# Altium PCB batt_ctrl_pcb_v3.1.PcbDoc (continued)
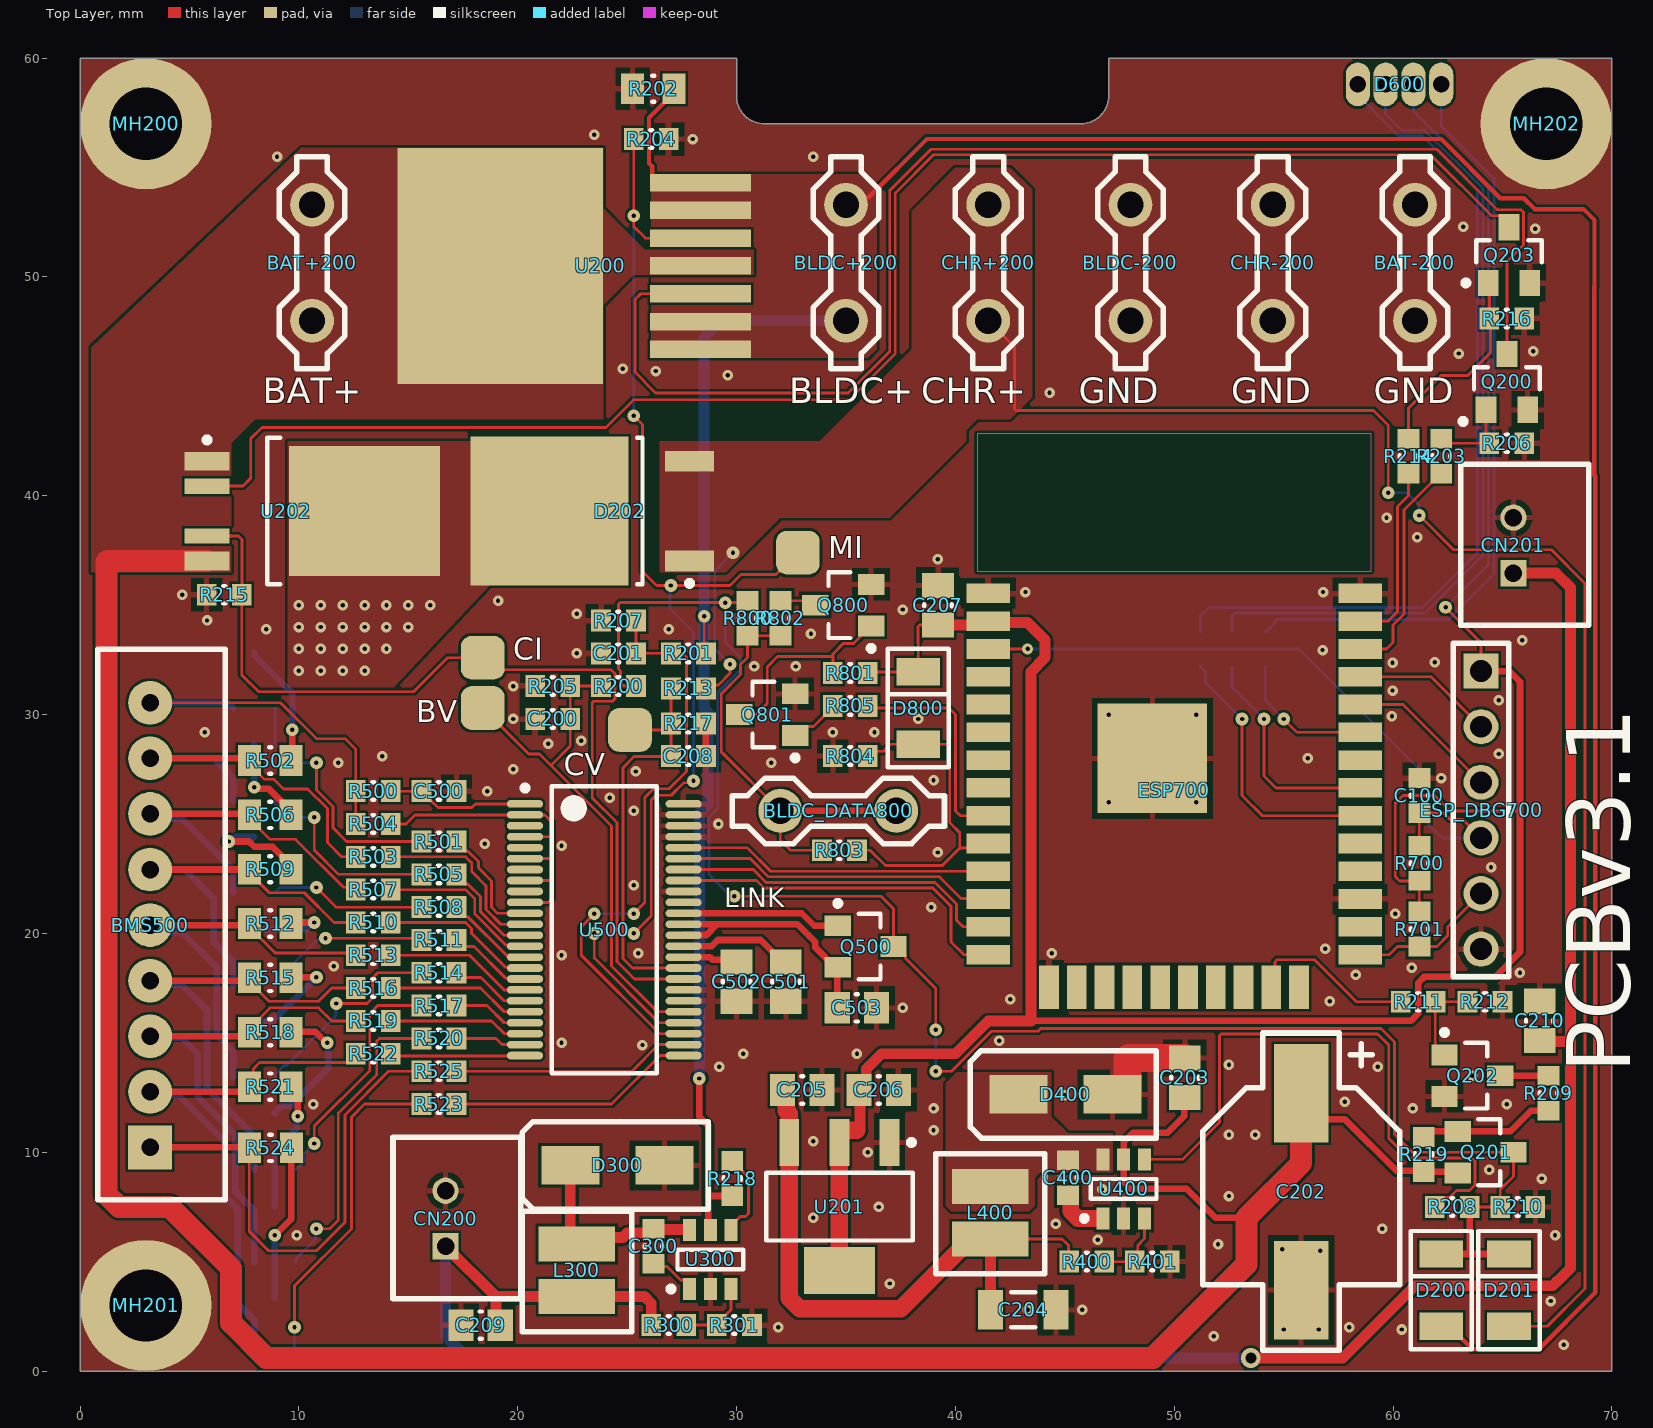
[diagram p0: Top Layer view]
## Part data
BAT+200 BAT-200 BLDC+200 BLDC-200 BLDC_DATA800 CHR+200 CHR-200: "Straight Mount Angle PCB Tab Terminal"
  BAT-200 BLDC-200 CHR-200: ClassName=DirectGND
BMS500: library part "PIN HEADER 2.54 1x9"
C100 C200 C201 C203 C204 C205 C206 C207 C208 C209 C210 C300 C400 C500 C501 C502 C503: library part "Capacitor M", "Ceramic capacitor Medium density"
C202: library part "Capacitor Electrolitic", "Capacitor Electrolitic"
CN200 CN201: library part "PIN HEADER 2.54 1x2", "LIGHT_5V", Parameter 1=LIGHT_5V
D200 D201 D800: "Small Signal Fast Switching Diodes", Average forward current="150 mA", Diode capacitance="4 pF", Forward continuous current="300 mA", Peak forward surge current="2 A", Repetitive peak forward current="500 mA", Repetitive peak reverse voltage="100 V", Reverse voltage="75 V", Supplier Part Number 1=78-MCL4148, Reverse recovery time="4 ~ 8 ns", Supplier 1=Mouser
D202: library part STPS1045B, "Power schottky rectifier", I=10A, V=45V
D300 D400: "Surface Mount Schottky Barrier Rectifier", Supplier Part Number 1=05R5585, If (av)=1.0A, Ifsm=40A, Supplier 1=Newark, Vf="0.5 ~ 0.75V", Vrrm=40V
D600: library part "RGB led"
ESP700: library part ESP32S, "ESP32-WROOM-32 is a powerful, generic Wi-Fi+BT+BLE MCU module"
ESP_DBG700: library part "PIN HEADER 2.54 1x6"
L300 L400: library part Inductor
Q200 Q202 Q203 Q500 Q800 Q801: library part 2N3904, "NPN General Purpose Transistor", Collector Current - Continuous=200mA, Collector-Base Voltage=60V, Collector-Emitter Voltage=40V, DC Current Gain=300
Q201: library part 2N3906, "PNP General Purpose Transistor", Collector Current - Continuous=200mA, Collector-Base Voltage=-60V, Collector-Emitter Voltage=-40V, DC Current Gain=300
Q501 Q502 Q503 Q504 Q505 Q506 Q507 Q508: "OptiMOS™ P3 Small-Signal-Transistor", Id=-2A, Rds=80mOhm, Vds=-30V
R200 R201 R202 R203 R204 R205 R206 R207 R208 R209 R210 R211 R212 R213 R214 R215 R216 R217 R218 R219 R300 R301 R400 R401 R500 R501 R502 R503 R504 R505 R506 R507 R508 R509 R510 R511 R512 R513 R514 R515 R516 R517 R518 R519 R520 R521 R522 R523 R524 R525 R600 R601 R602 R700 R701 R800 R801 R802 R803 R804 R805: library part "Resistor M", "Resistor Medium Density"
  R502 R506 R509 R512 R515 R518 R521 R524: pack=0805
U200: library part BTS50085-1TMA, "Smart Highside High Current Power Switch", Current sense ratio=13000, Load current (ISO)=44A, On-state resistance="9 mOhm", Operating voltage="5.0 .. 58V", Overvoltage protection=70V, Short circuit current limitation=90A, Output clamp=62V
U201: library part AMS1117, "800mA LDO  15V max"
U202: "PROFET Smart Highside Power Switch, 1 Channel, 10 A Load Current, -40 to 150 degC, PG-TO252-5-11, Reel, Green", Load Current (typ)="10 A", Manufacturer=Infineon, Recommended Operating Voltage Max.="38 V", Recommended Operating Voltage Min.="5.5 V", Channels=1, ComponentLink1Description="Manufacturer URL", ComponentLink1URL=http://www.infineon.com/, ComponentLink2Description=Datasheet, ComponentLink2URL=http://www.infineon.com/dgdl/BTS6143D_DS_v10.pdf?folderId=db3a304314dca389011537739e37155f&fileId=db3a3043183a95550118606a2705368e&location=en.Products.Automotive_ICs.Smart_High-_and_Low-Side_Switches.PROFET__-_Smart_High_Side_Switches.DATASHEET.BTS6143D_D, ComponentLink3Description="Package Specification", ComponentLink3URL=http://www.infineon.com/dgdl/TLE7276-Data+Sheet-+v1_11.pdf?folderId=db3a304412b407950112b408e8c90004&fileId=db3a304412b407950112b436c53f66c8&sId=db3a30433db6f09f013dc0e43c0428c1, DatasheetVersion="Rev. 1.0", Green=TRUE, Group="Automotive Qualified", Halogen-free=TRUE, Mounting Technology="Surface Mount", PackageDescription="5-Pin Plastic (Green) Transistor Single Outline Package, 6.5 x 6.12 mm Body, 1.14 mm Pitch", PackageReference=PG-TO252-5-11, PackageVersion=Nov-10, Packing=Reel, PartNumber=BTS6143D, Ptot (max)="59 W", RON @ 25degreesC="10 mOhm", RON(max) @ 150degreesC="18 mOhm", toff (max)="500 us", ton (max)="500 us"
U300 U400: "The ME3116 is PWM DC/DC buck (step-down) regulators.", Frequency=550kHz, FB=0.8V, V in max=45V
U500: "The LTC®6804 is a 3rd generation multicell battery stack / monitor that measures up to 12 series connected battery / cells with a total measurement error of less than 1.2mV. The / cell measurement range of 0V to 5V makes the LTC6804 / suitable for most battery chemistries. All 12 cell voltages / can be captured in 290µs, and lower data acquisition rates / can be selected for high noise reduction."
MH200 MH201 MH202: ClassName=DirectGND

## Free pads (board coordinates)
  rrect50% 2x2 smd: ""(18.4,30.3) ""(18.4,32.6) ""(25.127,29.3) ""(32.8,37.4)

## Via types
v1: diameter 0.48, hole 0.2, Top Layer to Bottom Layer, 145 vias
v2: diameter 0.58, hole 0.2, Top Layer to Bottom Layer, 38 vias
v3: diameter 0.9, hole 0.5, Top Layer to Bottom Layer, 1 vias
v4: diameter 0.5, hole 0.2, Top Layer to Bottom Layer, 1 vias

## Nets (pads, with @x,y where several pads share a name; then routed paths per layer and width w, separated by ;. In a path a pad name is that pad's centre, name@x,y a point inside that pad or via, vN(x,y) a via of type N, cw(c..) or ccw(c..) an arc to the next point about the centre after c; other vN are vias at no path point)
5VREG: C503.1 Q500.2 U500.36 U500.37 | length 11.6
  Top Layer w0.3: U500.36 27.591,19.928 28.623,19.928 29.114,20.418 ; U500.37 29.114,20.418 ; C503.1 34.6,18.425 Q500.2 34.5,18.45 33.6,19.35 33.6,19.6 32.782,20.418 29.114,20.418
+5V: C204.1 C205.1 L400.2 R400.2 U201.3 | length 28.6
  Top Layer w0.127: L400.2 44.872,6.04 45.162,5.75 45.162,5.038 R400.2
  Top Layer w0.305: C205.1 C205.1@32.353,13.103
  Top Layer w0.5: 37.5,2.85 37.5,3 ; L400.2 41.6,6.032 C204.1
  Top Layer w0.8: C205.1 32.275,12.675 32.275,11.902 32.408,11.77 32.408,10.402 32.41,10.4 32.41,3.319 32.879,2.85 37.5,2.85 40.242,5.592 40.242,5.64 40.642,6.04 L400.2
ADC_EN: D200.2 D201.2 Q201.3 Q500.3 R200.2 R208.2 R210.1 R800.2 | length 82.7
  Top Layer w0.127: R200.2 24.841,31.3 24.695,31.446 24.695,31.984 24.6,32.079 24.6,35.043 24.674,35.117 v2(29.48,35.117) 30.417,35.117 R800.2 ; v2(29.9,21.7) 36.6,21.7 37.175,21.125 Q500.3 37.3,19.4 37.711,18.988 37.711,18.863 39.1,17.475 v2(39.1,15.6) ; v2(39.1,13.7) 39.823,13.7 41.653,15.53 43.771,15.53 43.9,15.659 59.441,15.659 60.07,15.03 60.07,10.811 60.881,10 Q201.3 65.5,8.9 64.9,8.3 R210.1 R208.2
  Top Layer w0.3: D200.2@62.063,5.214 D200.2 63.6,5.351 ; R208.2 63.5,5.451 63.6,5.351 ; D201.2 63.6,5.351
  Bottom Layer w0.127: v2(29.48,35.117) 29.48,33.32 30.18,32.62 30.18,32.059 29.141,31.019 29.141,25.718 28.74,25.318 28.74,22.689 29.729,21.7 v2(29.9,21.7) ; v2(39.1,13.7) v2(39.1,15.6)
AN0: ESP700.4
AN1: ESP700.5
B\L\D\C\_\E\N\: Q200.3 U200.3 | length 64.3
  Top Layer w0.127: U200.3 25.62,49.23 25.353,48.962 25.353,45.647 26.3,44.7 35.1,44.7 37,46.6 37,53.945 38.892,55.836 62.008,55.836 64.779,53.065 65.854,53.065 65.966,52.954 65.966,51.596 65.965,51.466 65.2,50.7 Q200.3
BATT_MEAS: C200.1 pad.@18.4,30.3 R200.1 R205.2 U500.29 | length 24.1
  Top Layer w0.127: pad.@18.4,30.3 20.5,28.2 21,28.2 21.518,27.682 ; R200.1 R205.2 C200.1 22.4,28.564 21.518,27.682 ; U500.29 26.382,16.418 24.286,18.514 24.286,24.914 21.518,27.682
BATT_POS: BAT+200.1 C202.+ C203.2 Q201.2 R219.2 U200.4 U200.8 U202.1 U202.5 U400.5 | length 127.7
  Top Layer w0.3: 1.2,30.2 1.5,30.5 ; 27.2,0.634 27.234,0.6 ; 30.133,0.6 30.15,0.617 ; C203.2 50.456,12.48 50.456,11.656 49.7,10.9 48.128,10.9 47.688,10.46 U400.5 47.688,8.625 47.987,8.326 50.574,8.326 51.9,7 53.3,7 ; C202.+@55.8,12.3 56.6,11.5 57.8,11.5 60.15,9.15 61.35,9.15 R219.2 62.9,9.1 Q201.2
  Top Layer w1: U202.5 1.244,37.02 1.2,36.976 1.2,30.2 1.2,8.086 1.786,7.5 4.1,7.5 6.9,4.7 6.9,2.2 8.5,0.6 27.234,0.6 30.133,0.6 49.025,0.6 53.3,4.875 53.3,7 55.8,9.5 C202.+ ; U200.8@15.2,46.5 U200.8
BLDC_EN: ESP700.36 R203.1 | length 10.3
  Top Layer w0.127: ESP700.36 59.7,33 60,33.3 60,34.1 60.5,34.6 60.5,39.35 62.15,41 R203.1
BLDC_I_MEAS: pad.@32.8,37.4 R204.2 U200.5 U500.28 | length 57.9
  Top Layer w0.127: v2@23.5,19.9 23.5,18.875 26.457,15.918 U500.28 ; v2(25.3,20) 26.1,20.8 26.1,26.1 26.316,26.316 27.016,26.316 27.581,26.881 27.946,26.881 v2(28.033,26.968) ; v2(25.3,43.651) 25.7,43.251 25.7,36.536 26.336,35.9 v2(27,35.9) 29.7,35.9 30.2,36.4 31.8,36.4 pad.@32.8,37.4 ; R204.2 v2(25.3,52.796) 25.3,52.3 25.83,51.77 U200.5
  Bottom Layer w0.127: v2(23.5,20) v2(25.3,20) ; v2(25.3,43.651) v2(25.3,52.796) ; v2(27,35.9) 26.957,35.857 26.957,34.843 28.033,33.767 v2(28.033,26.968)
BLDC_MEAS: C201.1 R201.1 R207.2 U500.27 | length 27.4
  Top Layer w0.127: v2(23.5,20.9) 22.9,20.3 22.9,19 26.482,15.418 U500.27 ; v2(25.3,20.9) 25.8,21.4 25.8,26.2 26.209,26.609 26.92,26.609 27.705,27.395 27.705,32.623 27.529,32.8 R201.1 C201.1 R207.2@25.4,34.6
  Bottom Layer w0.127: v2(23.5,20.9) v2(25.3,20.9)
BLDC_POS: BLDC+200.1 D200.1 R201.2 R202.2 R218.2 U200.1 U200.2 U200.6 U200.7 U300.5 | length 152.4
  Top Layer w0.127: v2(28.52,34.5) 28.52,33.081 28.7,32.9 R201.2
  Top Layer w0.2: R202.2 27.15,58.425 26,57.275 26,55.2 26.15,55.05 26.15,54.61 26.45,54.31 U200.7 ; BLDC+200.1@35,53.3 35.344,53.644 36.044,53.644 38.7,56.3 62.2,56.3 64.902,53.598 65.977,53.598 66.475,53.1 68.7,53.1 69.203,52.597 69.203,49.579 ccw(c69.4,49.546) 69.2,49.546 69.2,40.943 69.236,40.907 69.236,3.585 66.652,1 63.624,1 62.575,2.049 D200.1
  Top Layer w0.3: v2(28.3,13.368) 28.3,11.625 28.7,11.225 28.7,7.983 ; U300.5 28.7,6.55 28.7,7.983 ; R218.2 28.717,8 28.7,7.983
  Bottom Layer w0.5: v2(28.3,13.368) 28.3,25.5 28.7,25.9 28.7,30.099 28.52,30.279 v2(28.52,34.5) ; v2@28.556,34.5 28.52,34.537 28.52,47.22 29.3,48 BLDC+200.1@35,48
BLUE_LED_C: D600.BC R602.1 | length 38.9
  Bottom Layer w0.127: R602.1 51.188,34.5 51.579,34.891 61.352,34.891 63.855,37.393 63.855,53.927 61.345,56.437 60.253,56.437 58.39,58.3 D600.BC
BLUE_LED_OD: ESP700.30 R602.2 | length 12.5
  Top Layer w0.127: v2(53.1,29.8) 53.1,26.3 54.02,25.38 ESP700.30
  Bottom Layer w0.127: R602.2 51.431,31.958 51.431,31.469 v2(53.1,29.8)
BOOT: ESP700.25 ESP_DBG700.5 R701.2 | length 6.9
  Top Layer w0.127: ESP700.25 59.83,19.03 60.2,19.4 R701.2 62,19.4 62.494,19.894 62.494,20.3 ESP_DBG700.5
CELL1: BMS500.2 Q508.2 R521.1 R522.1 | length 25.1
  Top Layer w0.127: R521.1 7.916,13.173 7.916,13.816 8.2,14.1 12.214,14.1 12.6,14.487 R522.1
  Top Layer w0.3: BMS500.2 7.503,12.76 R521.1
  Bottom Layer w0.3: BMS500.2 3.334,12.626 4.474,12.626 6.6,10.5 6.6,8 7.198,7.402 7.198,3.102 7.95,2.35 Q508.2
CELL2: BMS500.3 Q507.2 R518.1 R519.1 | length 23.4
  Top Layer w0.127: R518.1 7.743,15.658 8.684,16.6 10.9,16.6 11.5,16 R519.1
  Top Layer w0.3: BMS500.3 7.559,15.3 R518.1
  Bottom Layer w0.3: BMS500.3 3.277,15.223 4.65,15.223 5.373,14.5 5.373,12.527 7.1,10.8 7.1,8.2 7.95,7.35 Q507.2
CELL3: BMS500.4 Q506.2 R515.1 R516.1 | length 21.6
  Top Layer w0.127: R515.1 7.743,17.792 8.634,16.9 10.9,16.9 11.5,17.5 R516.1
  Top Layer w0.3: BMS500.4 7.616,17.84 R515.1
  Bottom Layer w0.3: BMS500.4 3.39,17.65 4.65,17.65 5.8,16.5 5.8,12.9 7.95,10.75 Q506.2
CELL4: BMS500.5 Q505.2 R512.1 R513.1 | length 19.3
  Top Layer w0.127: R512.1 7.743,20.275 8.918,19.1 12.5,19.1 R513.1
  Top Layer w0.3: BMS500.5 7.673,20.38 R512.1
  Bottom Layer w0.3: BMS500.5 3.525,20.055 4.645,20.055 6.252,18.448 6.252,15.348 7.004,14.596 Q505.2
CELL5: BMS500.6 Q504.2 R509.1 R510.1 | length 18.3
  Top Layer w0.127: R509.1 7.743,22.758 8.644,21.857 10.243,21.857 11.6,20.5 R510.1
  Top Layer w0.3: BMS500.6 7.729,22.92 R509.1
  Bottom Layer w0.3: BMS500.6 4.78,22.92 6.1,21.6 6.1,19.6 7.004,18.696 Q504.2
CELL6: BMS500.7 Q503.2 R506.1 R507.1 | length 16.8
  Top Layer w0.127: R506.1 7.743,25.242 8.684,24.3 9.845,24.3 12.034,22.111 12.489,22.111 R507.1
  Top Layer w0.3: BMS500.7 7.699,25.46 R506.1
  Bottom Layer w0.3: BMS500.7 3.41,25.25 4.65,25.25 7.004,22.896 Q503.2
CELL7: BMS500.8 Q502.2 R502.1 R503.1 | length 17.5
  Top Layer w0.127: R502.1 7.743,27.725 8.427,27.04 8.86,27.04 9.3,26.6 10.4,26.6 11.3,25.7 11.3,24.16 11.96,23.5 R503.1
  Top Layer w0.3: BMS500.8 7.643,28 R502.1
  Bottom Layer w0.3: BMS500.8 6.1,28 7.004,27.096 Q502.2
CELL8: BMS500.9 Q501.2 R500.1 R504.1 | length 17.6
  Top Layer w0.127: BMS500.9 9.16,30.54 10.8,28.9 12.1,28.9 12.6,28.4 R500.1 R504.1
  Bottom Layer w0.3: BMS500.9 6.752,30.54 Q501.2
CELL-: BMS500.1 R524.1 R525.1 | length 22.9
  Top Layer w0.127: R524.1@7.73,10.22 7.73,6.388 8.618,5.5 10.8,5.5 12.1,6.8 12.1,11.7 14.1,13.7 R525.1
  Top Layer w0.3: BMS500.1 R524.1@7.73,10.22
CHR_EN: ESP700.37 R214.1 | length 8.4
  Top Layer w0.127: ESP700.37 59.77,34.27 60.2,34.7 60.2,39.511 60.7,40.011 R214.1
CHR_I_MEAS: pad.@18.4,32.6 R215.2 U202.4 U500.32 | length 44.1
  Top Layer w0.127: U202.4 7.24,38.16 7.4,38 7.4,35.49 R215.2 7.385,31.815 8.152,31.048 15.248,31.048 16.8,32.6 18.4,32.6 18.95,32.05 24.269,32.05 24.441,31.879 24.441,30.721 24.329,30.609 23.474,30.609 23.4,30.535 23.4,26.201 24.54,25.061 24.54,18.71 25.332,17.918 U500.32
CHR_MEAS: C208.1 pad.@25.127,29.3 R213.1 R217.2 U500.33 | length 19.8
  Top Layer w0.127: pad.@24.6,29 25.127,29.3 26.7,29.3 R217.2 ; R213.1 R217.2 ; U500.33 25.242,18.418 24.808,18.852 24.808,27.571 25.319,28.081 26.981,28.081 C208.1 R217.2
CHR_POS: CHR+200.1 D201.1 D202.1 D202.3 R213.2 | length 79.9
  Top Layer w0.127: R213.2 28.754,31.354 29.166,31.354 29.7,31.888 v2(29.7,32.3) ; CHR+200.1@41.5,48 42.7,46.8 42.7,43.974 42.774,43.9 59.1,43.9 59.783,43.217 v2(59.783,40.133) ; v2(61.2,39.1) 62.766,37.534 67.234,37.534 68.773,35.995 68.773,3.777 67.045,2.049 D201.1
  Bottom Layer w0.127: v2(29.7,32.3) 29,33 29,36.566 v2(29.834,37.4) ; v2(59.783,40.133) 60.64,40.133 61.2,39.573 v2(61.2,39.1)
CHR_SUP: D202.2 U202.3
  other v1: 10,32 11,32 12,32 13,32 10,33 11,33 12,33 13,33 14,33 10,34 11,34 12,34 13,34 14,34 15,34 10,35 11,35 12,35 13,35 14,35 15,35 16,35
DATABUS: BLDC_DATA800.1 R800.1 R802.2 R803.2 | length 20
  Top Layer w0.127: R802.2@32.05,33.6 R802.2 R800.1 30.5,32.609 30.18,32.289 30.18,31.829 29.3,30.948 29.3,28.3 32,25.6 32,24.268 32.468,23.8 R803.2 ; 34.6,25.65 34.65,25.6
  Top Layer w0.3: BLDC_DATA800.1@32,25.6 34.65,25.6 BLDC_DATA800.1@37.3,25.6
DCDC_EN: ESP700.23 R211.1 | length 7.8
  Top Layer w0.127: ESP700.23 54.6,17.705 54.6,18.7 54.7,18.8 56.4,18.8 58.324,16.876 R211.1
DRIVE: Q500.1 U500.38 | length 7.3
  Top Layer w0.3: U500.38 32.982,20.918 33.55,20.35 Q500.1
DTR: C100.1 ESP700.3 ESP_DBG700.4 R700.2 | length 32.1
  Top Layer w0.127: ESP700.3 v4(43.3,33) ; R700.2 C100.1 62.3,25.5 62.58,25.22 63.162,25.22 ESP_DBG700.4
  Bottom Layer w0.127: v4(43.3,33) 55.7,33 61.3,27.4 61.3,25.3 62.236,24.364 ESP_DBG700.4
GND: BAT-200.1 BLDC-200.1 C100.2 C200.2 C201.2 C202.- C203.1 C204.2 C205.2 C206.2 C207.2 C208.2 C209.2 C210.2 C500.2 C501.2 C502.2 C503.2 CHR-200.1 CN200.2 CN201.2 D300.A D400.A ESP700.1 ESP700.15 ESP700.27 ESP700.38 ESP700.39 ESP_DBG700.6 MH200.1 MH201.1 MH202.1 Q200.2 Q202.2 Q203.2 Q800.2 Q801.2 R202.1 R204.1 R205.1 R206.1 R207.1 R210.2 R212.1 R215.1 R216.1 R217.1 R301.1 R401.1 R804.1 U201.1 U300.2 U400.2 U500.30 U500.31 U500.40 U500.45 U500.46 U500.47 U500.48 | length 6.6
  Top Layer w0.3: C208.2 R217.1 ; R301.1@30.489,2.311 R301.1
  Top Layer w1.27: D400.A 47.63,12.644 47.87,12.884 47.87,14.252 47.924,14.306 C203.1
  other v1: 67.8,1.2 51.8,1.6 55,1.9 56.6,1.9 60.4,1.9 31.9,2 58,2 43.314,2.8 45.8,2.8 67.2,3.2 37,4 56.667,5.5 54.933,5.559 52,5.8 46.5,6 9.9,6.2 67.4,6.2 59.5,6.5 44.585,6.721 33.5,7 36.5,7.5 52.5,8 46.7,8.3 66.8,8.8 64.4,9.2 36,10 33.5,10.5 52.5,10.8 53.7,10.8 39,11 39,12 60.9,12 10.65,12.201 65.2,12.2 57.8,12.3 45,12.6 63.625,13.5 29.2,13.9 59.3,13.9 52.5,14 30.3,14.5 35.5,14.5 25.7,14.9 22,15 42,15.1 37.6,16.6 57.1,16.9 42.5,17 58.3,18.1 65.8,18.2 60.85,18.425 11.6,18.5 22,19 25.5,19.1 44.4,19.1 56.9,19.3 60.1,20.9 38.9,21.2 25.3,22.2 64.475,23.025 39.2,23.7 22,24 18.5,24.1 29.171,25 25.3,25.6 47,26 51,26 24.2,26.2 18.6,26.5 39,27 62.2,27.1 25.4,27.4 19.8,27.5 11.8,27.8 31.589,27.801 56.1,28 13.8,28.1 64.825,28.2 21.395,28.66 22.9,28.8 5.7,29.2 34.4,29.2 36.3,29.2 19.8,29.8 38.3,29.8 59.95,29.925 47,30 51,30 64.825,30.65 59.975,31.1 19.8,31.3 30.8,32.2 32.7,32.2 59.975,32.375 61.9,32.4 22.7,32.8 56.775,32.95 65.9,33.4 33.4,33.7 8.5,33.9 26.895,33.9 5.8,34.3 22.7,34.6 37.6,34.8 19.1,35.2 4.672,35.475 43.2,35.6 56.8,35.6 39.2,37.1 61.1,38.1 59.7,39 44.3,44.7 29.6,45.5 26.3,45.7 24.8,45.8 63,46.5 66.4,46.6 66.5,52.2 63.2,52.3 9,55.5 33.5,55.5 28,56.3 23.5,56.5
GRED_LED_OD: ESP700.31 R601.2 | length 10.2
  Top Layer w0.127: v2(54.1,29.8) 54.1,27.2 54.65,26.65 ESP700.31
  Bottom Layer w0.127: R601.2 52.64,31.26 v2(54.1,29.8)
GREEN_LED_C: D600.GC R601.1 | length 37.3
  Bottom Layer w0.127: R601.1 52.64,34.5 52.777,34.637 61.457,34.637 64.109,37.288 64.109,54.032 61.441,56.7 60.4,56.7 59.66,57.44 D600.GC
I34: ESP700.6
I35: ESP700.7
IO2: ESP700.24
IO4: ESP700.26
IO5: ESP700.29
IO6: ESP700.20
IO7: ESP700.21
IO8: ESP700.22
IO9: ESP700.17
IO10: ESP700.18
IO11: ESP700.19
IO13: ESP700.16
IO17: ESP700.28
IO32: ESP700.8
LIGHT_5V: C209.1 C210.1 CN200.1 CN201.1 L300.2 R300.2 | length 105.9
  Top Layer w0.5: CN200.1 19,3.4 ; C209.1 19,2.3 19,3.4 ; R300.2 26.1,3.1 25.8,3.4 L300.2 19,3.4 ; v3(53.5,0.6) 57.7,0.6 61,3.9 67.292,3.9 67.477,4.085 67.485,4.085 68.1,4.7 68.1,15.069 ; CN201.1 67.44,36.46 68.1,35.8 68.1,15.069 ; C210.1 66.731,15.069 68.1,15.069
  Bottom Layer w0.5: CN200.1 16.7,1.6 17.7,0.6 v3(53.5,0.6)
LOAD0: R523.2 U500.25 | length 11.3
  Top Layer w0.127: R523.2 24.291,12.2 26.509,14.418 U500.25
LOAD1: R520.2 U500.23 | length 3.2
  Top Layer w0.127: R520.2 19,15.2 19.282,14.918 U500.23
LOAD2: R517.2 U500.21 | length 3.5
  Top Layer w0.127: R517.2 18.6,16.7 19.382,15.918 U500.21
LOAD3: R514.2 U500.19 | length 3.7
  Top Layer w0.127: R514.2 17.415,17.985 18.315,17.985 19.382,16.918 U500.19
LOAD4: R511.2 U500.17 | length 3.9
  Top Layer w0.127: R511.2 17.501,19.399 18.001,19.399 19.45,17.95 20.299,17.95 U500.17
LOAD5: R508.2 U500.15 | length 4.1
  Top Layer w0.127: R508.2 17.2,21.15 17.587,20.763 17.715,20.763 19.518,18.961 20.288,18.961 U500.15
LOAD6: R505.2 U500.13 | length 4.7
  Top Layer w0.127: R505.2 17.2,22.65 17.587,22.263 17.715,22.263 18.292,21.687 18.292,20.99 19.364,19.918 U500.13
LOAD7: R501.2 U500.11 | length 5.4
  Top Layer w0.127: R501.2 17.2,24.15 17.587,23.763 17.715,23.763 18.2,23.279 18.2,23 18.8,22.4 18.8,21.2 19.082,20.918 U500.11
MEAS0: R525.2 U500.26 | length 10.9
  Top Layer w0.127: R525.2 25.214,13.7 26.432,14.918 U500.26
MEAS1: R522.2 U500.24 | length 6.2
  Top Layer w0.127: R522.2 14.3,14.4 20.313,14.4 U500.24
MEAS2: R519.2 U500.22 | length 6.4
  Top Layer w0.127: R519.2 18.8,16 19.382,15.418 U500.22
MEAS3: R516.2 U500.20 | length 6.6
  Top Layer w0.127: R516.2 18.3,17.5 19.382,16.418 U500.20
MEAS4: R513.2 U500.18 | length 6.8
  Top Layer w0.127: R513.2 17.8,19 19.382,17.418 U500.18
MEAS5: R510.2 U500.16 | length 7.1
  Top Layer w0.127: R510.2 17.619,20.5 17.892,20.227 17.892,20.008 19.45,18.45 20.299,18.45 U500.16
MEAS6: R507.2 U500.14 | length 7.6
  Top Layer w0.127: R507.2 17.619,22 18.038,21.581 18.038,20.884 19.462,19.461 20.288,19.461 U500.14
MEAS7: R503.2 U500.12 | length 8.3
  Top Layer w0.127: R503.2 17.619,23.5 17.9,23.219 17.9,22.821 18.546,22.175 18.546,21.095 19.223,20.418 U500.12
NetC500_1: C500.1 R500.2 U500.1 | length 6.5
  Top Layer w0.127: R500.2 C500.1 15.6,26.45 15.987,26.063 16.037,26.063 16.35,25.75 17.9,25.75 18.068,25.918 U500.1
NetQ200_1: Q200.1 R203.2 R206.2 | length 3.9
  Top Layer w0.127: R203.2 62.4,42.4 R206.2 64.25,42.55 Q200.1
NetQ201_1: Q201.1 R209.1 R219.1 | length 6.2
  Top Layer w0.3: R219.1 61.65,10.95 Q201.1 65.35,10.95 66.3,11.9 R209.1
NetQ202_1: Q202.1 R211.2 R212.2 | length 3.6
  Top Layer w0.127: Q202.1@61.925,14.75 61.925,16.851 R211.2 R212.2
NetQ202_3: Q202.3 R209.2 | length 2.2
  Top Layer w0.3: Q202.3 R209.2
NetQ203_1: Q203.1 R214.2 R216.2 | length 9.5
  Top Layer w0.127: R214.2 60.7,44 62.2,45.5 63.413,45.5 64.45,46.537 64.45,48.05 R216.2 64.4,49.675 Q203.1 ; Q203.1@64.7,49.625 Q203.1@64.7,49.7
NetQ203_3: Q203.3 U202.2 | length 72.4
  Top Layer w0.127: U202.2 7.44,40.44 7.8,40.8 7.8,42.614 8.311,43.125 24.025,43.125 25.283,44.383 35.142,44.383 37.254,46.495 37.254,53.839 38.997,55.582 61.718,55.582 64.5,52.8 65.075,52.8 Q203.3@65.3,52.575
NetQ501_1: Q501.1 R501.1 | length 11.4
  Top Layer w0.127: v2(10.8,27.8) 10.8,26.559 11.554,25.805 11.554,24.827 12.181,24.2 R501.1
  Bottom Layer w0.127: Q501.1 8.904,28.701 9.805,27.8 v2(10.8,27.8)
NetQ501_3: Q501.3 R502.2 | length 5.7
  Top Layer w0.3: R502.2 9.7,27.957 v2(9.7,29.3)
  Bottom Layer w0.3: Q501.3 7.954,32.713 9.1,31.567 9.1,31.559 9.7,30.959 v2(9.7,29.3)
NetQ502_1: Q502.1 R505.1 | length 9
  Top Layer w0.127: v2(10.7,25.3) 10.7,23.804 11.804,22.7 R505.1
  Bottom Layer w0.127: Q502.1 8.904,25.948 9.316,25.536 9.441,25.536 9.677,25.3 v2(10.7,25.3)
NetQ502_3: Q502.3 R506.2 | length 4.3
  Top Layer w0.3: v2(7.954,26.673) 8.008,26.619 8.615,26.619 9.643,25.592 R506.2
  Bottom Layer w0.3: v2(7.954,26.673) Q502.3
NetQ503_1: Q503.1 R508.1 | length 7.2
  Top Layer w0.127: v2(10.8,22.1) 11.7,21.2 R508.1
  Bottom Layer w0.127: Q503.1 9.147,22.1 v2(10.8,22.1)
NetQ503_3: Q503.3 R509.2 | length 4.7
  Top Layer w0.3: v2(6.8,24.2) 7.713,24.2 7.954,23.959 8.792,23.959 9.643,23.108 R509.2
  Bottom Layer w0.3: v2(6.8,24.2) 6.876,24.2 7.083,24.407 Q503.3
NetQ504_1: Q504.1 R511.1 | length 7.7
  Top Layer w0.127: v2(11.217,19.783) 15.517,19.783 R511.1
  Bottom Layer w0.127: Q504.1 8.904,17.767 10.834,19.696 11.13,19.696 v2(11.217,19.783)
NetQ504_3: Q504.3 R512.2 | length 4
  Top Layer w0.3: R512.2 9.693,20.5 v2(10.7,20.5)
  Bottom Layer w0.3: Q504.3 10.316,20.192 10.624,20.5 v2(10.7,20.5)
NetQ505_1: Q505.1 R514.1 | length 9.6
  Top Layer w0.127: v2(11.7,16.8) 13.119,16.8 13.364,17.045 13.364,17.964 13.6,18.2 R514.1
  Bottom Layer w0.127: Q505.1 8.904,13.551 9.316,13.963 9.441,13.963 11.7,16.222 v2(11.7,16.8)
NetQ505_3: Q505.3 R515.2 | length 4.9
  Top Layer w0.3: R515.2 9.676,18 v2(10.8,18)
  Bottom Layer w0.3: Q505.3 8.776,15.976 v2(10.8,18)
NetQ506_1: Q506.1 R517.1 | length 11.1
  Top Layer w0.127: v2(10.7,10.4) 10.7,11.2 13.241,13.741 13.241,16.341 13.6,16.7 R517.1
  Bottom Layer w0.127: Q506.1 10.217,9.568 10.217,9.917 v2(10.7,10.4)
NetQ506_3: Q506.3 R518.2 | length 6.4
  Top Layer w0.3: R518.2 9.659,15.5 10.753,15.5 11.253,15 v2(11.3,15)
  Bottom Layer w0.3: Q506.3 8.9,11.806 9.225,12.131 9.631,12.131 11.333,13.833 11.333,14.967 v2(11.3,15)
NetQ507_1: Q507.1 R520.1 | length 14.1
  Top Layer w0.127: v2(10.8,6.5) 11.4,6.5 11.8,6.9 11.8,11.8 13.56,13.56 13.56,15.085 13.674,15.2 R520.1
  Bottom Layer w0.127: Q507.1 9.85,5.11 10.759,6.02 10.759,6.459 v2(10.8,6.5)
NetQ507_3: Q507.3 R521.2 | length 6
  Top Layer w0.3: R521.2 9.951,12.692 v2(9.951,11.649)
  Bottom Layer w0.3: Q507.3 8.9,10.1 9.897,11.097 9.897,11.595 v2(9.951,11.649)
NetQ508_1: Q508.1 R523.1 | length 15.4
  Top Layer w0.127: v2(9.8,2) 9.8,3.9 12.4,6.5 12.4,11.6 13,12.2 R523.1
  Bottom Layer w0.127: v2(9.8,2) 9.8,0.82 Q508.1
NetQ508_3: Q508.3 R524.2 | length 7.2
  Top Layer w0.3: v2(8.9,6.2) 9.65,6.95 R524.2
  Bottom Layer w0.3: Q508.3 v2(8.9,6.2)
NetR504_2: R504.2 U500.2 U500.4 U500.6 U500.8 U500.10 | length 16.2
  Top Layer w0.127: R504.2 14.9,25 15.31,25.41 21.246,25.41 21.556,25.1 21.556,24.47 ; U500.10 21.382,21.418 21.556,21.592 21.556,22.507 ; U500.8 21.467,22.418 21.556,22.507 ; U500.6 21.553,23.418 21.556,23.421 ; U500.4 21.504,24.418 21.556,24.47 ; 21.556,22.507 21.556,23.421 ; 21.556,23.421 21.556,24.47
RED_LED_C: D600.RC R600.1 | length 35
  Bottom Layer w0.127: R600.1 54.21,33.8 54.596,34.187 54.596,34.276 54.671,34.35 62.53,34.35 64.617,36.437 64.617,54.483 62.2,56.9 D600.RC
RED_LED_OD: ESP700.33 R600.2 | length 6.5
  Top Layer w0.127: v2(55,29.8) 55.61,29.19 ESP700.33
  Bottom Layer w0.127: R600.2 54.16,30.64 v2(55,29.8)
RX: D800.1 ESP700.10 R803.1 R804.2 | length 15.5
  Top Layer w0.127: R803.1 36.1,23.8 36.8,23.1 39.4,23.1 40.2,23.9 ; R804.2 36.224,28.324 36.724,28.324 37.049,28.649 D800.1 39.622,28.649 39.746,28.525 39.746,25.054 40.2,24.6 40.2,23.9 ; ESP700.10 41.29,23.9 40.2,23.9
RXD: ESP700.35 ESP_DBG700.2 | length 6.5
  Top Layer w0.127: ESP700.35 61.732,31.73 ESP_DBG700.2
SPI_CS0: ESP700.14 U500.41 | length 16.3
  Top Layer w0.127: U500.41 30.904,22.418 31.244,22.078 38.963,22.078 39.8,21.241 39.8,19.611 40.381,19.03 ESP700.14
SPI_MISO: ESP700.11 U500.44 | length 14.4
  Top Layer w0.127: U500.44 30.482,23.918 31.56,22.84 ESP700.11
SPI_MOSI: ESP700.12 U500.43 | length 14.7
  Top Layer w0.127: U500.43 30.623,23.418 31.455,22.586 39.27,22.586 40.256,21.6 41.47,21.6 ESP700.12
SPI_MSCK: ESP700.13 U500.42 | length 15.4
  Top Layer w0.127: U500.42 30.764,22.918 31.35,22.332 39.068,22.332 40.054,21.346 40.054,20.604 40.358,20.3 ESP700.13
T\X\: Q800.1 Q801.3 R801.1 | length 9.5
  Top Layer w0.127: Q801.3 30.9,30 31.4,30.5 31.4,32.176 31.874,32.65 34.4,32.65 ; R801.1 34.4,32.65 ; Q800.1 35.35,33.25 34.875,33.25 34.4,32.775 34.4,32.65
T\X\C: Q800.3 R802.1 | length 1.7
  Top Layer w0.127: R802.1 33.4,35.2 Q800.3
TX: ESP700.9 R805.1 | length 10.2
  Top Layer w0.127: R805.1 36.1,30.3 39.7,30.3 40,30 40,25.6 40.22,25.38 ESP700.9
TXB: Q801.1 R805.2 | length 2.3
  Top Layer w0.127: Q801.1 33.087,29.462 33.512,29.462 34.4,30.35 R805.2
TXD: ESP700.34 ESP_DBG700.3 | length 7
  Top Layer w0.127: ESP700.34 60.462,30.46 ESP_DBG700.3
U_ME3116_5V1_BS: C300.1 U300.1 | length 2.2
  Top Layer w0.127: C300.1 26.316,4.784 26.816,4.784 27.442,4.158 27.614,4.158 27.85,3.921 U300.1
U_ME3116_5V1_EN: R218.1 U300.4 | length 4
  Top Layer w0.127: U300.4 29.75,6.65 30.166,7.066 30.416,7.066 30.55,7.2 30.55,8.85 30.237,9.163 30.237,9.213 29.85,9.6 R218.1
U_ME3116_5V1_FB: R300.1 R301.2 U300.3 | length 3.3
  Top Layer w0.127: R300.1 R301.2 29.1,2.15 29.75,2.8 U300.3
U_ME3116_5V1_SW: C300.2 D300.K L300.1 U300.6 | length 9.2
  Top Layer w0.5: D300.K 22.4,6.1 L300.1 23,6.1 24.8,6.1 25,6.3 26,6.3 C300.2 26.225,6.475 27.825,6.475 U300.6
U_ME3116_5V2_BS: C400.1 U400.1 | length 2.1
  Top Layer w0.762: C400.1 45.198,8.034 45.267,7.965 45.267,7.303 45.594,6.976 46.418,6.976
U_ME3116_5V2_EN: R208.1 U400.4 | length 28.1
  Top Layer w0.127: U400.4 50.376,9.676 52.069,11.369 52.069,15.329 52.146,15.405 59.295,15.405 59.8,14.9 59.8,10.631 60.69,9.741 63.604,9.741 63.741,9.604 63.741,8.496 63.494,8.25 62.903,8.25 62.59,7.937 62.287,7.937 61.9,7.55 R208.1
U_ME3116_5V2_FB: R400.1 R401.2 U400.3 | length 3.6
  Top Layer w0.127: R400.1 R401.2 48.335,5.135 48.335,5.75 48.638,6.053 U400.3
U_ME3116_5V2_SW: C400.2 D400.K L400.1 U400.6
VCC: C206.1 C207.1 D600.CA D800.2 ESP700.2 ESP_DBG700.1 R700.1 R701.1 R801.2 U201.2 U201.4 | length 127.7
  Top Layer w0.127: R801.2 36.051,31.951 D800.2 38.3,33.266 38.293,33.272 38.293,34.026 38.368,34.1 C207.1 ; R701.1 R700.1 60.3,22.4 60.1,22.6 60.1,25.95 60.45,26.3 61.9,26.3 62.6,25.6 65.78,25.6 65.8,25.58 ; v2(62.4,34.9) 64.018,33.282 ESP_DBG700.1
  Top Layer w0.3: ESP700.2@41.33,34.1 41.43,34.2 ESP700.2 ; 43.448,16 60.816,16 61.15,16.334 61.15,17.75 61.414,18.014 64.668,18.014 65.8,19.146 65.8,25.58 65.8,31.5 65.316,31.984 ESP_DBG700.1
  Top Layer w0.5: 35.5,11 35.63,11.13 C206.1@35.63,12.88 ; C206.1 C206.1@35.63,12.88 ; C206.1@35.63,13.03 C206.1@35.63,12.88 ; C207.1 ESP700.2@41.33,34.1 ; ESP700.2@41.43,34.2 43.3,34.2 44.1,33.4 44.1,32.6 43.448,31.948 43.448,16 ; 43.4,16 41.5,16 40,14.5 36.62,14.5 35.925,13.805 35.925,13.175 C206.1@35.63,12.88
  Top Layer w0.8: U201.4 U201.2 34.7,10.95 34.75,11 35.5,11
  Bottom Layer w0.127: D600.CA 60.93,57.57 64.363,54.137 64.363,36.863 v2(62.4,34.9)
VREF1: C501.1 U500.35 | length 5.2
  Top Layer w0.3: U500.35 28.856,19.418 29.138,19.7 31.1,19.7 32.1,18.7 C501.1
VREF2: C502.1 U500.34 | length 2.5
  Top Layer w0.3: U500.34 28.782,18.918 28.9,18.8 29.9,18.8 C502.1
WDT_OUT: U500.39
pads on no net: ESP700.32 U500.3 U500.5 U500.7 U500.9

## Polygon pours and split planes (outlines as drawn)
GND on Top Layer "TOP_GND" (solid, remove dead copper, pour order 11): 0,0 0,60 30,60 30,58.27 ccw(c31.27,58.27) 31.27,57 45.73,57 ccw(c45.73,58.27) 47,58.27 47,60 70,60 70,0
CHR_SUP on Top Layer "CHR_POS_SUP2" (solid, pour order 10): 9.5,42.5 25,42.5 25,35.998 24.952,35.95 24.927,35.975 18.775,35.95 14.2,31.1 9.5,31.1
CHR_POS on Top Layer "CHR_POS_SUP" (solid, pour order 8): 26.5,36.5 26.5,42.5 33.8,42.5 38,46.7 38,53 40,55 42.5,55 43.5,54 43.5,44.5 42.5,43.5 41,43.5 40.5,43 40.5,42.5 37,39 32,39 29.5,36.5
BATT_POS on Top Layer "BATT_POS" (solid, pour order 5): 23.9,48.7 25.3,50.1 30.777,50.1 30.777,51.243 25.8,51.243 23.9,53.143 23.9,55.9 10.1,55.9 0.5,46.772 0.5,36.5 6.9,36.5 6.9,42.4 8,43.5 23.9,43.5 23.9,45.1
BLDC_POS on Top Layer "BLDC_POS" (solid, remove dead copper, pour order 7): 26.1,54.7 35.8,54.7 36.5,54 36.4,53.9 36.4,46.7 36,46.3 26.1,46.3
U_ME3116_5V2_SW on Top Layer "SW" (solid, remove dead copper, pour order 0): 47.18,9.088 47.18,10.866 45.148,10.866 44.386,11.628 44.386,13.66 40.068,13.66 39.56,13.152 39.56,7.564 39.814,7.31 43.37,7.31 43.624,7.564 43.624,8.834 43.878,9.088 46.164,9.088
GND on Bottom Layer "BOT_GND" (solid, remove dead copper, pour order 9): 0,0 0,60 30,60 30,58.27 ccw(c31.27,58.27) 31.27,57 45.73,57 ccw(c45.73,58.27) 47,58.27 47,60 70,60 70,0
CHR_SUP on Bottom Layer "CHR_POS_SUP2_BTN" (solid, pour order 4): 9.502,36.521 0.693,36.521 0.693,52.8 8.541,52.8 8.541,45.2 12.7,45.2 12.7,56 23.298,56 23.305,42.521 25.02,42.521 25.02,36.019 24.972,35.971 24.947,35.996 18.795,35.971 14.22,31.121 9.52,31.121

## Silkscreen, mask and mechanical layers (free items; w line width, h text height)
Top Overlay:
  text "BAT+" at 8.355,43.838 h2
  text "BLDC+" at 32.408,43.838 h2
  text "CHR+" at 38.442,43.838 h2
  text "GND" at 45.635,43.838 h2
  text "GND" at 52.609,43.838 h2
  text "GND" at 59.109,43.838 h2
  text "MI" at 34.193,37.154 h1
  text "CI" at 19.793,32.498 h1
  text "BV" at 15.354,29.654 h1
  text "CV" at 22.108,27.222 h1
  text "LINK" at 29.441,20.902 h1.5
  text "PCBv3.1" at 71.8,13.6 h5 r90
Bottom Overlay:
  text "+" at 61.446,56.1 h1.52
  text "VCC" at 69.627,31.388 h1.6
  text "RXD" at 69.159,28.848 h1.6
  text "TXD" at 69.08,26.33 h1.6
  text "RESET" at 70.202,23.768 h1.6
  text "BOOT" at 69.759,21.228 h1.6
  text "GND" at 69.759,18.688 h1.6
Outline:
  lines w0.254: 0,0 70,0 70,60 47,60 47,59 47,58.27 cw(c45.73,58.27) 45.73,57 31.27,57 cw(c31.27,58.27) 30,58.27 30,59 30,60 0,60 0,0